# KiCad board CPU2908C.kicad_pcb (continued)
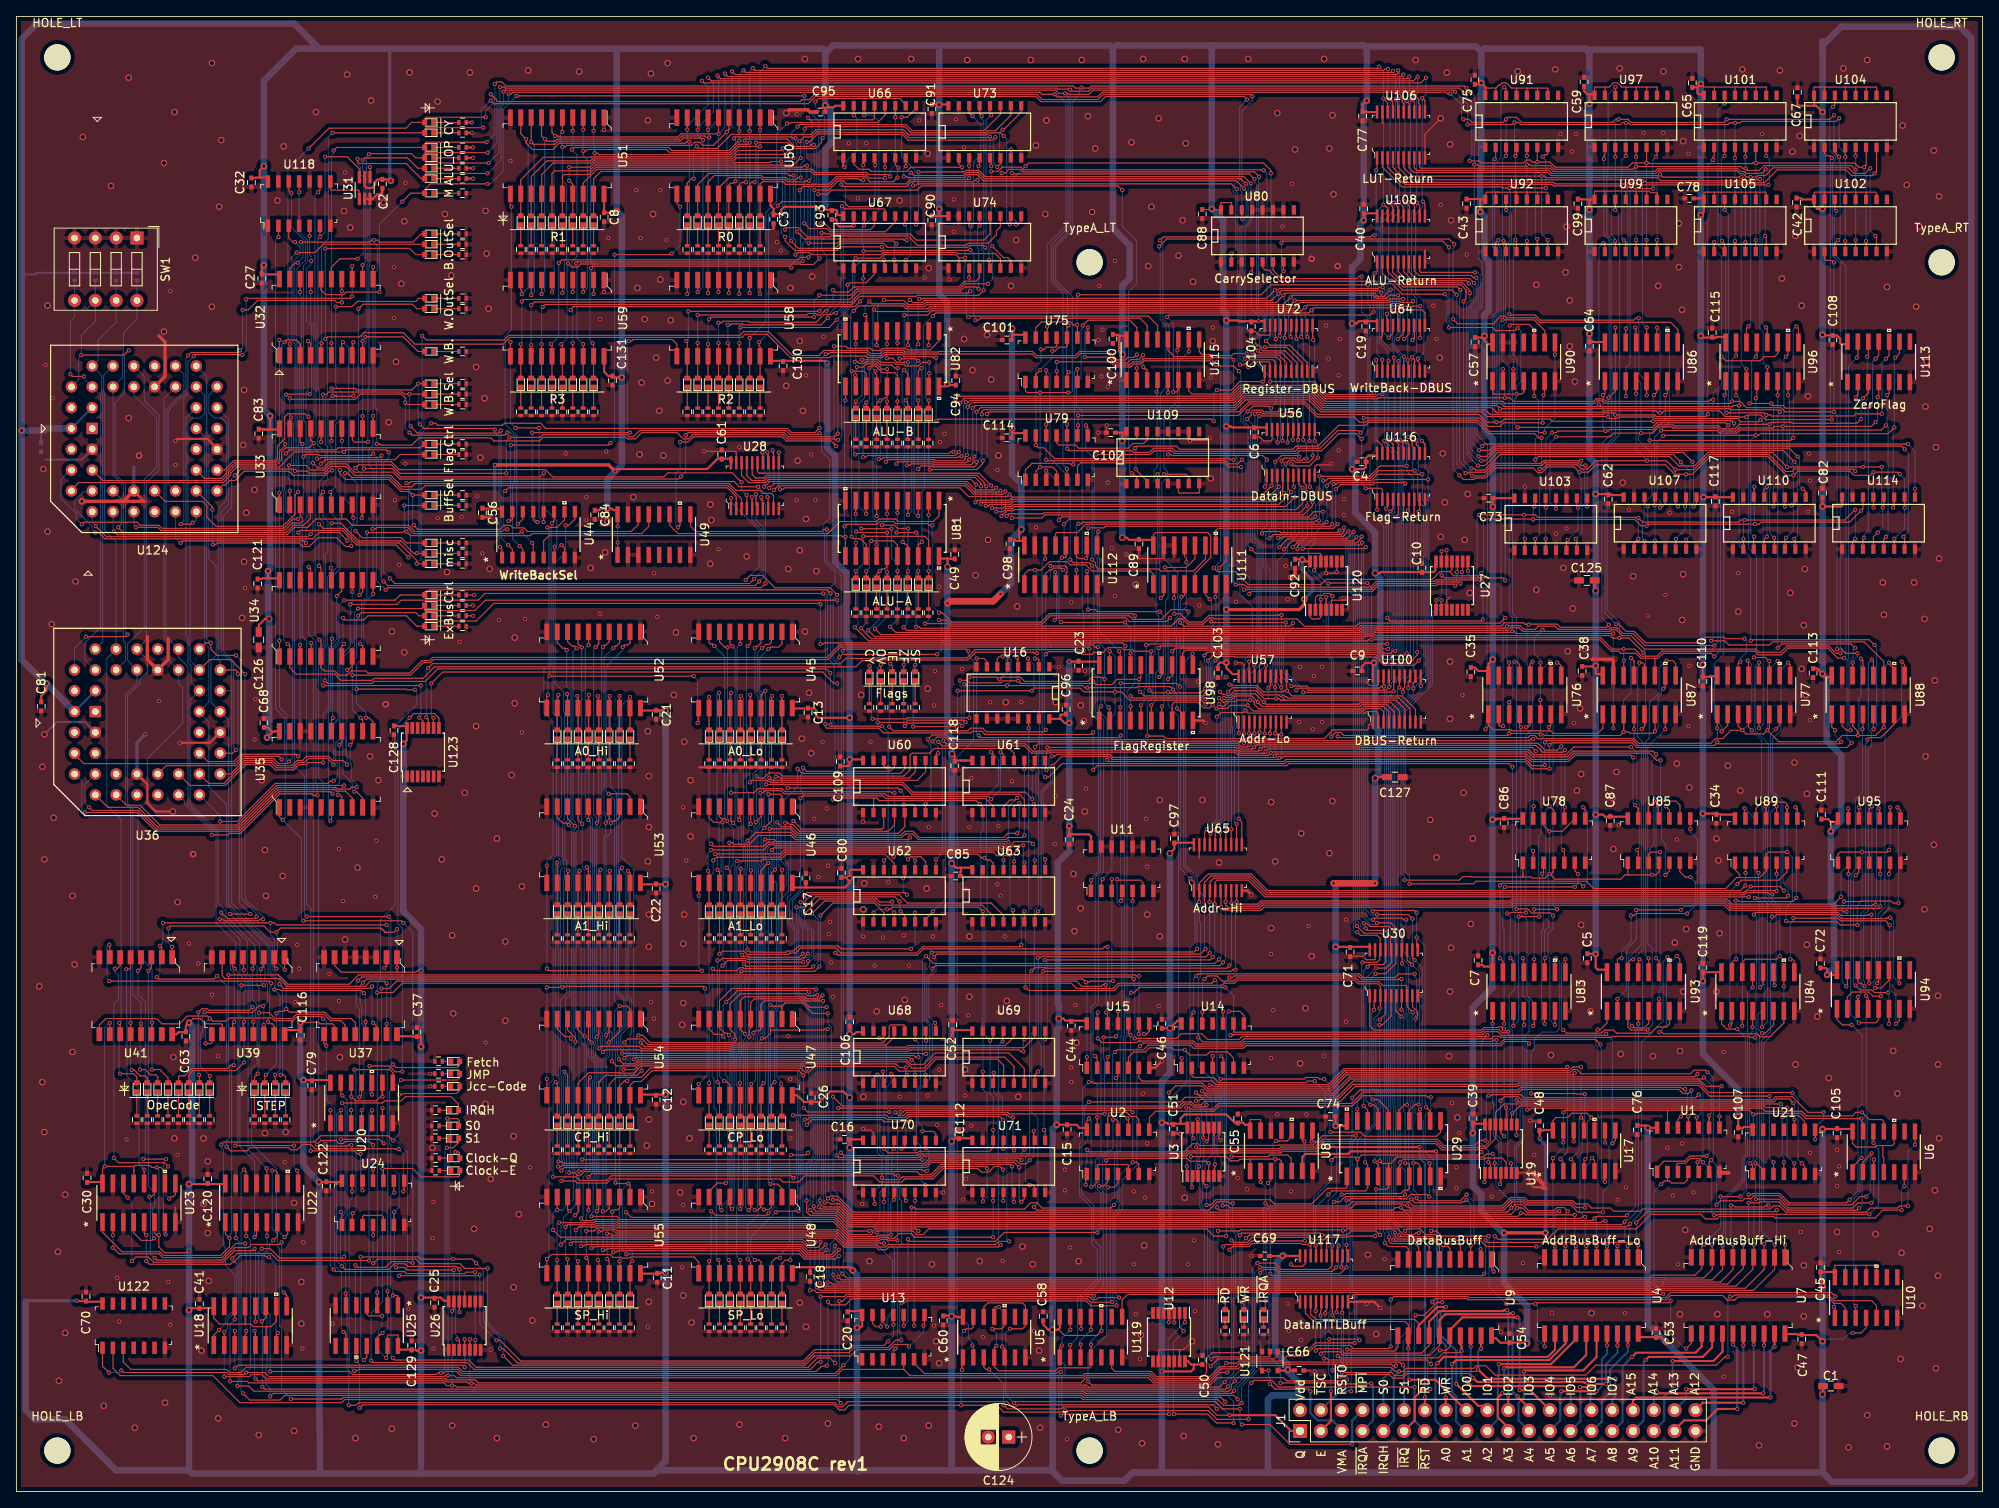
[diagram p0: board, top side]
## Routing (per net, layer and track width the routed paths; a pad name or vN(x,y) marks a point on that pad's centre or on a via; arc(x,y) is an arc through that point) (continued)
Net-(U122-Pad3): length 161.2
  Top w0.127: v1(133.77,23.11) 131.1,23.11 130.69,23.53 101.95,23.53 101.2,22.79 99.43,22.79 v1(99.05,23.17) ; v1(134.22,50.47) 134.46,50.71 U15.4 ; U122.3 13.05,15.82 13.96,14.91 25.64,14.91 26.02,14.53 27.39,14.53 28.02,15.17 40.33,15.17 40.33,15.17 42.4,15.17 42.4,15.17 53.94,15.17 54.45,14.66 97.65,14.66 98.28,15.29 98.85,15.29
  Bottom w0.127: v1(99.05,23.17) 99.05,15.49 v1(98.92,15.36) ; v1(134.22,50.47) 134.35,50.35 134.35,41.58 134.03,41.27 134.03,35.93 133.52,35.41 133.52,23.36 v1(133.77,23.11)
Net-(U123-Pad9): length 137.8
  Top w0.127: v1(99.97,65.75) 100.27,65.46 109.97,65.46 110.73,66.22 132.59,66.22 132.84,66.48 v1(133.19,66.48) ; v1(100.19,98.61) 99.81,98.61 98.41,100 65.52,100 52.04,100 v1(50.64,98.61) ; 50.9,93.4 v1(50.9,94.42) ; U15.3 v1(133.19,53.01)
  Bottom w0.127: v1(50.9,94.42) 50.64,94.67 v1(50.64,98.61) ; v1(133.19,66.48) 133.19,62.28 133.46,62.01 133.46,53.28 v1(133.19,53.01) ; v1(100.19,98.61) 100.32,98.48 100.32,66.09 v1(99.97,65.75)

## Copper pours and planes (outline as drawn; the poured copper is in the pictures)
+5V on Bottom: 241.16,0.18 10.27,0.06 10.27,2.59 11.16,3.48 119.35,3.48 119.35,7.8 119.99,8.44 122.65,8.44 123.29,7.8 123.29,3.48 124.45,2.21 149.85,2.21 151.24,3.55 151.24,11.29 152.12,12.25 156.94,12.25 157.7,11.61 157.7,9.45 154.78,9.45 154.78,3.74 156.83,1.96 236.84,1.96 238.37,3.48 238.37,6.41 237.84,7.04 237.48,170.24 238.11,170.87 238.11,177.09 236.97,178.24 232.14,178.24 230.37,176.2 39.61,176.46 34.02,176.46 32.37,178.11 32.37,181.16 47.85,181.03 47.85,181.16 241.54,181.28
GND on Top: 241,181 241,180.52 241.67,180.52 241.67,-0.96 -0.9,-0.96 -0.9,-0.2 -1,-0.2 -1,181 29.43,181 29.43,180.52 45.05,180.52 45.05,181.14
GND on Bottom: 31.74,177.73 31.74,179.89 -0.14,179.89 -0.14,5.13 118.6,5.13 118.6,8.82 119.11,9.45 124.45,9.45 124.45,4.5 150.35,4.5 150.35,13.64 184.39,13.64 184.39,11.1 188.2,11.1 188.2,13.64 206.62,13.64 206.62,3.61 231.51,3.61 231.51,6.66 233.67,8.82 236.59,8.82 236.59,167.57 228.9,175.63 33.77,175.57

## Text on the board
F.SilkS: Clock-Q | Clock-E | Fetch | JMP | Jcc-Code | OpeCode | STEP | IRQH | R3 | R1 | A0_Hi | A1_Hi | CP_Hi | SP_Hi | R0 | R2 | A1_Lo | A0_Lo | CP_Lo | SP_Lo | Flags | ALU-A | ALU-B | FlagRegister | Addr-Hi | CarrySelector | Addr-Lo | Register-DBUS | DataIn-DBUS | DataInTTLBuff | DBUS-Return | LUT-Return | ALU-Return | WriteBack-DBUS | Flag-Return | DataBusBuff | AddrBusBuff-Lo | AddrBusBuff-Hi | ZeroFlag | CY | ALU_OP | M | B.OutSel | W.OutSel | W.B. | W.B.Sel | FlagCtrl | BuffSel | misc | ExBusCtrl | ~{RD} | ~{WR} | ~{IRQA} | Vdd | Q | ~{TSC} | E | ~{RSTO} | VMA | ~{MPI} | S0 | S1 | ~{IRQ} | ~{RST} | A0 | IO0 | A1 | IO1 | A2 | IO2 | A3 | IO3 | A4 | IO4 | A5 | IO5 | A6 | IO6 | A7 | IO7 | A8 | A15 | A9 | A14 | A10 | A13 | A11 | A12 | GND | OV | IE | ZF | SF | WriteBackSel | CPU2908C rev1
